# Altium PCB PM12_CFD.PcbDoc (part 7 of 12)
Units mm, origin at the board's own origin, x right, y up, seen from the top; angles counter-clockwise.
Board outline 96.25 x 362.25 mm, 6 copper layers (Top Layer, Mid-Layer 1, Mid-Layer 2, Mid-Layer 3, Mid-Layer 4, Bottom Layer); 1413 components, 2881 nets, 4503 pads, 1682 vias.
Unrouted connection lines stored in the file: 4.
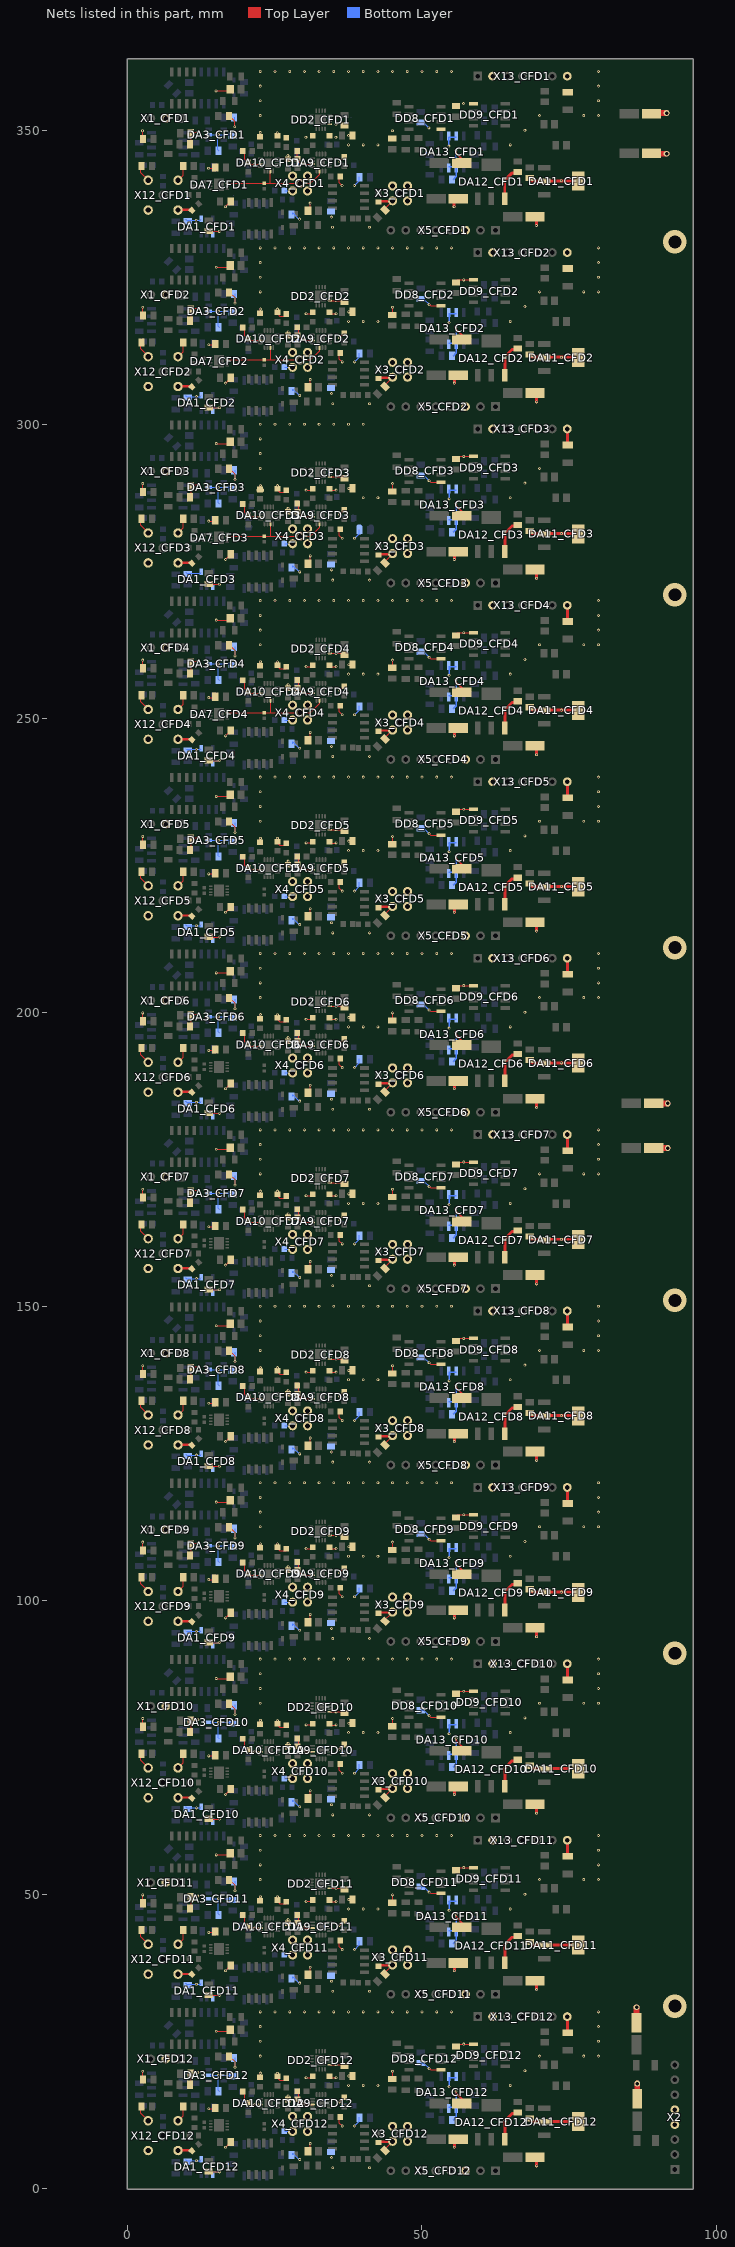
[diagram p11: the nets of this part, all layers, seen from the top]

## Via types
v1: diameter 0.48, hole 0.25, Top Layer to Bottom Layer, 1581 vias
v2: diameter 1, hole 0.6, Top Layer to Bottom Layer, 46 vias
v3: diameter 0.2/0/0/0/0/0.48 (per signal layer), hole 0.25, Top Layer to Bottom Layer, 33 vias
v4: diameter 4, hole 2.2, Top Layer to Bottom Layer, 12 vias
v5: diameter 0.5/0/0/0/0/1 (per signal layer), hole 0.6, Top Layer to Bottom Layer, 10 vias

## Nets (pads, with @x,y where several pads share a name; then routed paths per layer and width w, separated by ;. In a path a pad name is that pad's centre, name@x,y a point inside that pad or via, vN(x,y) a via of type N, cw(c..) or ccw(c..) an arc to the next point about the centre after c; other vN are vias at no path point) (continued)
GND: C1_CFD1.1 C1_CFD2.1 C1_CFD3.1 C1_CFD4.1 C1_CFD5.1 C1_CFD6.1 C1_CFD7.1 C1_CFD8.1 C1_CFD9.1 C1_CFD10.1 C1_CFD11.1 C1_CFD12.1 C2_CFD1.1 C2_CFD2.1 C2_CFD3.1 C2_CFD4.1 C2_CFD5.1 C2_CFD6.1 C2_CFD7.1 C2_CFD8.1 C2_CFD9.1 C2_CFD10.1 C2_CFD11.1 C2_CFD12.1 C3_CFD1.1 C3_CFD2.1 C3_CFD3.1 C3_CFD4.1 C3_CFD5.1 C3_CFD6.1 C3_CFD7.1 C3_CFD8.1 C3_CFD9.1 C3_CFD10.1 C3_CFD11.1 C3_CFD12.1 C4_CFD1.1 C4_CFD2.1 C4_CFD3.1 C4_CFD4.1 C4_CFD5.1 C4_CFD6.1 C4_CFD7.1 C4_CFD8.1 C4_CFD9.1 C4_CFD10.1 C4_CFD11.1 C4_CFD12.1 C6_CFD1.1 C6_CFD2.1 C6_CFD3.1 C6_CFD4.1 C6_CFD5.1 C6_CFD6.1 C6_CFD7.1 C6_CFD8.1 C6_CFD9.1 C6_CFD10.1 C6_CFD11.1 C6_CFD12.1 C7_CFD1.1 C7_CFD2.1 C7_CFD3.1 C7_CFD4.1 C7_CFD5.1 C7_CFD6.1 C7_CFD7.1 C7_CFD8.1 C7_CFD9.1 C7_CFD10.1 C7_CFD11.1 C7_CFD12.1 C8_CFD1.1 C8_CFD2.1 C8_CFD3.1 C8_CFD4.1 C8_CFD5.1 C8_CFD6.1 C8_CFD7.1 C8_CFD8.1 C8_CFD9.1 C8_CFD10.1 C8_CFD11.1 C8_CFD12.1 C9_CFD1.1 C9_CFD2.1 C9_CFD3.1 C9_CFD4.1 C9_CFD5.1 C9_CFD6.1 C9_CFD7.1 C9_CFD8.1 C9_CFD9.1 C9_CFD10.1 C9_CFD11.1 C9_CFD12.1 C10_CFD1.1 C10_CFD2.1 C10_CFD3.1 C10_CFD4.1 C10_CFD5.1 C10_CFD6.1 C10_CFD7.1 C10_CFD8.1 C10_CFD9.1 C10_CFD10.1 C10_CFD11.1 C10_CFD12.1 C11_CFD1.1 C11_CFD2.1 C11_CFD3.1 C11_CFD4.1 C11_CFD5.1 C11_CFD6.1 C11_CFD7.1 C11_CFD8.1 C11_CFD9.1 C11_CFD10.1 C11_CFD11.1 C11_CFD12.1 C12_CFD1.1 C12_CFD2.1 C12_CFD3.1 C12_CFD4.1 C12_CFD5.1 C12_CFD6.1 C12_CFD7.1 C12_CFD8.1 C12_CFD9.1 C12_CFD10.1 C12_CFD11.1 C12_CFD12.1 C13_CFD1.1 C13_CFD2.1 C13_CFD3.1 C13_CFD4.1 C13_CFD5.1 C13_CFD6.1 C13_CFD7.1 C13_CFD8.1 C13_CFD9.1 C13_CFD10.1 C13_CFD11.1 C13_CFD12.1 C14_CFD1.1 C14_CFD2.1 C14_CFD3.1 C14_CFD4.1 C14_CFD5.1 C14_CFD6.1 C14_CFD7.1 C14_CFD8.1 C14_CFD9.1 C14_CFD10.1 C14_CFD11.1 C14_CFD12.1 C18_CFD1.1 C18_CFD2.1 C18_CFD3.1 C18_CFD4.1 C18_CFD5.1 C18_CFD6.1 C18_CFD7.1 C18_CFD8.1 C18_CFD9.1 C18_CFD10.1 C18_CFD11.1 C18_CFD12.1 C19_CFD1.1 C19_CFD2.1 C19_CFD3.1 C19_CFD4.1 C19_CFD5.1 C19_CFD6.1 C19_CFD7.1 C19_CFD8.1 C19_CFD9.1 C19_CFD10.1 C19_CFD11.1 C19_CFD12.1 C20.2 C21.1 C23_CFD1.1 C23_CFD2.1 C23_CFD3.1 C23_CFD4.1 C23_CFD5.1 C23_CFD6.1 C23_CFD7.1 C23_CFD8.1 C23_CFD9.1 C23_CFD10.1 C23_CFD11.1 C23_CFD12.1 C24_CFD1.1 C24_CFD2.1 C24_CFD3.1 C24_CFD4.1 C24_CFD5.1 C24_CFD6.1 C24_CFD7.1 C24_CFD8.1 C24_CFD9.1 C24_CFD10.1 C24_CFD11.1 C24_CFD12.1 C25_CFD1.1 C25_CFD2.1 C25_CFD3.1 C25_CFD4.1 C25_CFD5.1 C25_CFD6.1 C25_CFD7.1 C25_CFD8.1 C25_CFD9.1 C25_CFD10.1 C25_CFD11.1 C25_CFD12.1 C26_CFD1.1 C26_CFD2.1 C26_CFD3.1 C26_CFD4.1 C26_CFD5.1 C26_CFD6.1 C26_CFD7.1 C26_CFD8.1 C26_CFD9.1 C26_CFD10.1 C26_CFD11.1 C26_CFD12.1 C27_CFD1.1 C27_CFD2.1 C27_CFD3.1 C27_CFD4.1 C27_CFD5.1 C27_CFD6.1 C27_CFD7.1 C27_CFD8.1 C27_CFD9.1 C27_CFD10.1 C27_CFD11.1 C27_CFD12.1 C28_CFD1.1 C28_CFD2.1 C28_CFD3.1 C28_CFD4.1 C28_CFD5.1 C28_CFD6.1 C28_CFD7.1 C28_CFD8.1 C28_CFD9.1 C28_CFD10.1 C28_CFD11.1 C28_CFD12.1 C29_CFD1.1 C29_CFD2.1 C29_CFD3.1 C29_CFD4.1 C29_CFD5.1 C29_CFD6.1 C29_CFD7.1 C29_CFD8.1 C29_CFD9.1 C29_CFD10.1 C29_CFD11.1 C29_CFD12.1 C30_CFD1.1 C30_CFD2.1 C30_CFD3.1 C30_CFD4.1 C30_CFD5.1 C30_CFD6.1 C30_CFD7.1 C30_CFD8.1 C30_CFD9.1 C30_CFD10.1 C30_CFD11.1 C30_CFD12.1 C31_CFD1.1 C31_CFD2.1 C31_CFD3.1 C31_CFD4.1 C31_CFD5.1 C31_CFD6.1 C31_CFD7.1 C31_CFD8.1 C31_CFD9.1 C31_CFD10.1 C31_CFD11.1 C31_CFD12.1 C32_CFD1.1 C32_CFD2.1 C32_CFD3.1 C32_CFD4.1 C32_CFD5.1 C32_CFD6.1 C32_CFD7.1 C32_CFD8.1 C32_CFD9.1 C32_CFD10.1 C32_CFD11.1 C32_CFD12.1 C33_CFD1.1 C33_CFD2.1 C33_CFD3.1 C33_CFD4.1 C33_CFD5.1 C33_CFD6.1 C33_CFD7.1 C33_CFD8.1 C33_CFD9.1 C33_CFD10.1 C33_CFD11.1 C33_CFD12.1 C34.2 C35_CFD1.1 C35_CFD2.1 C35_CFD3.1 C35_CFD4.1 C35_CFD5.1 C35_CFD6.1 C35_CFD7.1 C35_CFD8.1 C35_CFD9.1 C35_CFD10.1 C35_CFD11.1 C35_CFD12.1 C36_CFD1.1 C36_CFD2.1 C36_CFD3.1 C36_CFD4.1 C36_CFD5.1 C36_CFD6.1 C36_CFD7.1 C36_CFD8.1 C36_CFD9.1 C36_CFD10.1 C36_CFD11.1 C36_CFD12.1 C37_CFD1.1 C37_CFD2.1 C37_CFD3.1 C37_CFD4.1 C37_CFD5.1 C37_CFD6.1 C37_CFD7.1 C37_CFD8.1 C37_CFD9.1 C37_CFD10.1 C37_CFD11.1 C37_CFD12.1 C38_CFD1.1 C38_CFD2.1 C38_CFD3.1 C38_CFD4.1 C38_CFD5.1 C38_CFD6.1 C38_CFD7.1 C38_CFD8.1 C38_CFD9.1 C38_CFD10.1 C38_CFD11.1 C38_CFD12.1 C39_CFD1.1 C39_CFD2.1 C39_CFD3.1 C39_CFD4.1 C39_CFD5.1 C39_CFD6.1 C39_CFD7.1 C39_CFD8.1 C39_CFD9.1 C39_CFD10.1 C39_CFD11.1 C39_CFD12.1 C40_CFD1.1 C40_CFD2.1 C40_CFD3.1 C40_CFD4.1 C40_CFD5.1 C40_CFD6.1 C40_CFD7.1 C40_CFD8.1 C40_CFD9.1 C40_CFD10.1 C40_CFD11.1 C40_CFD12.1 C41_CFD1.1 C41_CFD2.1 C41_CFD3.1 C41_CFD4.1 C41_CFD5.1 C41_CFD6.1 C41_CFD7.1 C41_CFD8.1 C41_CFD9.1 C41_CFD10.1 C41_CFD11.1 C41_CFD12.1 C42_CFD1.2 C42_CFD2.2 C42_CFD3.2 C42_CFD4.2 C42_CFD5.2 C42_CFD6.2 C42_CFD7.2 C42_CFD8.2 C42_CFD9.2 C42_CFD10.2 C42_CFD11.2 C42_CFD12.2 C43_CFD1.1 C43_CFD2.1 C43_CFD3.1 C43_CFD4.1 C43_CFD5.1 C43_CFD6.1 C43_CFD7.1 C43_CFD8.1 C43_CFD9.1 C43_CFD10.1 C43_CFD11.1 C43_CFD12.1 C44.2 C45.1 C46.1 C47_CFD1.1 C47_CFD2.1 C47_CFD3.1 C47_CFD4.1 C47_CFD5.1 C47_CFD6.1 C47_CFD7.1 C47_CFD8.1 C47_CFD9.1 C47_CFD10.1 C47_CFD11.1 C47_CFD12.1 C71_CFD1.1 C71_CFD2.1 C71_CFD3.1 C71_CFD4.1 C71_CFD5.1 C71_CFD6.1 C71_CFD7.1 C71_CFD8.1 C71_CFD9.1 C71_CFD10.1 C71_CFD11.1 C71_CFD12.1 C72_CFD1.1 C72_CFD2.1 C72_CFD3.1 C72_CFD4.1 C72_CFD5.1 C72_CFD6.1 C72_CFD7.1 C72_CFD8.1 C72_CFD9.1 C72_CFD10.1 C72_CFD11.1 C72_CFD12.1 C73_CFD1.1 C73_CFD2.1 C73_CFD3.1 C73_CFD4.1 C73_CFD5.1 C73_CFD6.1 C73_CFD7.1 C73_CFD8.1 C73_CFD9.1 C73_CFD10.1 C73_CFD11.1 C73_CFD12.1 C129_CFD1.1 C129_CFD2.1 C129_CFD3.1 C129_CFD4.1 C129_CFD5.1 C129_CFD6.1 C129_CFD7.1 C129_CFD8.1 C129_CFD9.1 C129_CFD10.1 C129_CFD11.1 C129_CFD12.1 C135_CFD1.2 C135_CFD2.2 C135_CFD3.2 C135_CFD4.2 C135_CFD5.2 C135_CFD6.2 C135_CFD7.2 C135_CFD8.2 C135_CFD9.2 C135_CFD10.2 C135_CFD11.2 C135_CFD12.2 C145_CFD1.1 C145_CFD2.1 C145_CFD3.1 C145_CFD4.1 C145_CFD5.1 C145_CFD6.1 C145_CFD7.1 C145_CFD8.1 C145_CFD9.1 C145_CFD10.1 C145_CFD11.1 C145_CFD12.1 C146_CFD1.1 C146_CFD2.1 C146_CFD3.1 C146_CFD4.1 C146_CFD5.1 C146_CFD6.1 C146_CFD7.1 C146_CFD8.1 C146_CFD9.1 C146_CFD10.1 C146_CFD11.1 C146_CFD12.1 DA1_CFD1.1 DA1_CFD1.4 DA1_CFD2.1 DA1_CFD2.4 DA1_CFD3.1 DA1_CFD3.4 DA1_CFD4.1 DA1_CFD4.4 DA1_CFD5.1 DA1_CFD5.4 DA1_CFD6.1 DA1_CFD6.4 DA1_CFD7.1 DA1_CFD7.4 DA1_CFD8.1 DA1_CFD8.4 DA1_CFD9.1 DA1_CFD9.4 DA1_CFD10.1 DA1_CFD10.4 DA1_CFD11.1 DA1_CFD11.4 DA1_CFD12.1 DA1_CFD12.4 DA3_CFD1.2 DA3_CFD2.2 DA3_CFD3.2 DA3_CFD4.2 DA3_CFD5.2 DA3_CFD6.2 DA3_CFD7.2 DA3_CFD8.2 DA3_CFD9.2 DA3_CFD10.2 DA3_CFD11.2 DA3_CFD12.2 DA9_CFD1.15 DA9_CFD2.15 DA9_CFD3.15 DA9_CFD4.15 DA9_CFD5.15 DA9_CFD6.15 DA9_CFD7.15 DA9_CFD8.15 DA9_CFD9.15 DA9_CFD10.15 DA9_CFD11.15 DA9_CFD12.15 DA10_CFD1.15 DA10_CFD2.15 DA10_CFD3.15 DA10_CFD4.15 DA10_CFD5.15 DA10_CFD6.15 DA10_CFD7.15 DA10_CFD8.15 DA10_CFD9.15 DA10_CFD10.15 DA10_CFD11.15 DA10_CFD12.15 DA11_CFD1.2 DA11_CFD1.4 DA11_CFD2.2 DA11_CFD2.4 DA11_CFD3.2 DA11_CFD3.4 DA11_CFD4.2 DA11_CFD4.4 DA11_CFD5.2 DA11_CFD5.4 DA11_CFD6.2 DA11_CFD6.4 DA11_CFD7.2 DA11_CFD7.4 DA11_CFD8.2 DA11_CFD8.4 DA11_CFD9.2 DA11_CFD9.4 DA11_CFD10.2 DA11_CFD10.4 DA11_CFD11.2 DA11_CFD11.4 DA11_CFD12.2 DA11_CFD12.4 DA12_CFD1.3 DA12_CFD2.3 DA12_CFD3.3 DA12_CFD4.3 DA12_CFD5.3 DA12_CFD6.3 DA12_CFD7.3 DA12_CFD8.3 DA12_CFD9.3 DA12_CFD10.3 DA12_CFD11.3 DA12_CFD12.3 DA13_CFD1.2 DA13_CFD1.3 DA13_CFD1.6 DA13_CFD1.7 DA13_CFD2.2 DA13_CFD2.3 DA13_CFD2.6 DA13_CFD2.7 DA13_CFD3.2 DA13_CFD3.3 DA13_CFD3.6 DA13_CFD3.7 DA13_CFD4.2 DA13_CFD4.3 DA13_CFD4.6 DA13_CFD4.7 DA13_CFD5.2 DA13_CFD5.3 DA13_CFD5.6 DA13_CFD5.7 DA13_CFD6.2 DA13_CFD6.3 DA13_CFD6.6 DA13_CFD6.7 DA13_CFD7.2 DA13_CFD7.3 DA13_CFD7.6 DA13_CFD7.7 DA13_CFD8.2 DA13_CFD8.3 DA13_CFD8.6 DA13_CFD8.7 DA13_CFD9.2 DA13_CFD9.3 DA13_CFD9.6 DA13_CFD9.7 DA13_CFD10.2 DA13_CFD10.3 DA13_CFD10.6 DA13_CFD10.7 DA13_CFD11.2 DA13_CFD11.3 DA13_CFD11.6 DA13_CFD11.7 DA13_CFD12.2 DA13_CFD12.3 DA13_CFD12.6 DA13_CFD12.7 DD2_CFD1.9 DD2_CFD2.9 DD2_CFD3.9 DD2_CFD4.9 DD2_CFD5.9 DD2_CFD6.9 DD2_CFD7.9 DD2_CFD8.9 DD2_CFD9.9 DD2_CFD10.9 DD2_CFD11.9 DD2_CFD12.9 DD8_CFD1.5 DD8_CFD2.5 DD8_CFD3.5 DD8_CFD4.5 DD8_CFD5.5 DD8_CFD6.5 DD8_CFD7.5 DD8_CFD8.5 DD8_CFD9.5 DD8_CFD10.5 DD8_CFD11.5 DD8_CFD12.5 DD9_CFD1.5 DD9_CFD2.5 DD9_CFD3.5 DD9_CFD4.5 DD9_CFD5.5 DD9_CFD6.5 DD9_CFD7.5 DD9_CFD8.5 DD9_CFD9.5 DD9_CFD10.5 DD9_CFD11.5 DD9_CFD12.5 pad.1@22.5,288.774 pad.1@39.33,282.1 pad.1@86.6,17.8 R4_CFD1.1 R4_CFD2.1 R4_CFD3.1 R4_CFD4.1 R4_CFD5.1 R4_CFD6.1 R4_CFD7.1 R4_CFD8.1 R4_CFD9.1 R4_CFD10.1 R4_CFD11.1 R4_CFD12.1 R11_CFD1.1 R11_CFD2.1 R11_CFD3.1 R11_CFD4.1 R11_CFD5.1 R11_CFD6.1 R11_CFD7.1 R11_CFD8.1 R11_CFD9.1 R11_CFD10.1 R11_CFD11.1 R11_CFD12.1 R46_CFD1.1 R46_CFD2.1 R46_CFD3.1 R46_CFD4.1 R46_CFD5.1 R46_CFD6.1 R46_CFD7.1 R46_CFD8.1 R46_CFD9.1 R46_CFD10.1 R46_CFD11.1 R46_CFD12.1 X1_CFD1.2 X1_CFD2.2 X1_CFD3.2 X1_CFD4.2 X1_CFD5.2 X1_CFD6.2 X1_CFD7.2 X1_CFD8.2 X1_CFD9.2 X1_CFD10.2 X1_CFD11.2 X1_CFD12.2 X2.4 X2.5 X3_CFD1.2 X3_CFD2.2 X3_CFD3.2 X3_CFD4.2 X3_CFD5.2 X3_CFD6.2 X3_CFD7.2 X3_CFD8.2 X3_CFD9.2 X3_CFD10.2 X3_CFD11.2 X3_CFD12.2 X4_CFD1.2 X4_CFD2.2 X4_CFD3.2 X4_CFD4.2 X4_CFD5.2 X4_CFD6.2 X4_CFD7.2 X4_CFD8.2 X4_CFD9.2 X4_CFD10.2 X4_CFD11.2 X4_CFD12.2 X5_CFD1.3 X5_CFD2.3 X5_CFD3.3 X5_CFD4.3 X5_CFD5.3 X5_CFD6.3 X5_CFD7.3 X5_CFD8.3 X5_CFD9.3 X5_CFD10.3 X5_CFD11.3 X5_CFD12.3 X12_CFD1.2 X12_CFD2.2 X12_CFD3.2 X12_CFD4.2 X12_CFD5.2 X12_CFD6.2 X12_CFD7.2 X12_CFD8.2 X12_CFD9.2 X12_CFD10.2 X12_CFD11.2 X12_CFD12.2 X13_CFD1.2 X13_CFD1.7 X13_CFD2.2 X13_CFD2.7 X13_CFD3.2 X13_CFD3.7 X13_CFD4.2 X13_CFD4.7 X13_CFD5.2 X13_CFD5.7 X13_CFD6.2 X13_CFD6.7 X13_CFD7.2 X13_CFD7.7 X13_CFD8.2 X13_CFD8.7 X13_CFD9.2 X13_CFD9.7 X13_CFD10.2 X13_CFD10.7 X13_CFD11.2 X13_CFD11.7 X13_CFD12.2 X13_CFD12.7 | length 1282
  Top Layer w0.2: C2_CFD1.1@2.17,343.9 2.17,342.8 X12_CFD1.2@3.43,341.54 ; C71_CFD1.1@2.17,348.44 2.47,348.74 v1(2.47,349.9) ; C2_CFD12.1@2.2,13.9 2.2,12.8 X12_CFD12.2@3.46,11.54 ; C71_CFD12.1@2.2,18.44 2.5,18.74 v1(2.5,19.9) ; C2_CFD11.1@2.2,43.9 2.2,42.8 X12_CFD11.2@3.46,41.54 ; C71_CFD11.1@2.2,48.44 2.5,48.74 v1(2.5,49.9) ; C2_CFD10.1@2.2,73.9 2.2,72.8 X12_CFD10.2@3.46,71.54 ; C71_CFD10.1@2.2,78.44 2.5,78.74 v1(2.5,79.9) ; C2_CFD9.1@2.2,103.9 2.2,102.8 X12_CFD9.2@3.46,101.54 ; C71_CFD9.1@2.2,108.44 2.5,108.74 v1(2.5,109.9) ; C2_CFD8.1@2.2,133.9 2.2,132.8 X12_CFD8.2@3.46,131.54 ; C71_CFD8.1@2.2,138.44 2.5,138.74 v1(2.5,139.9) ; C2_CFD7.1@2.2,163.9 2.2,162.8 X12_CFD7.2@3.46,161.54 ; C71_CFD7.1@2.2,168.44 2.5,168.74 v1(2.5,169.9) ; C2_CFD6.1@2.2,193.9 2.2,192.8 X12_CFD6.2@3.46,191.54 ; C71_CFD6.1@2.2,198.44 2.5,198.74 v1(2.5,199.9) ; C2_CFD5.1@2.2,223.9 2.2,222.8 X12_CFD5.2@3.46,221.54 ; C71_CFD5.1@2.2,228.44 2.5,228.74 v1(2.5,229.9) ; C2_CFD4.1@2.2,253.9 2.2,252.8 X12_CFD4.2@3.46,251.54 ; C71_CFD4.1@2.2,258.44 2.5,258.74 v1(2.5,259.9) ; C2_CFD3.1@2.2,283.9 2.2,282.8 X12_CFD3.2@3.46,281.54 ; C71_CFD3.1@2.2,288.44 2.5,288.74 v1(2.5,289.9) ; C2_CFD2.1@2.2,313.9 2.2,312.8 X12_CFD2.2@3.46,311.54 ; C71_CFD2.1@2.2,318.44 2.5,318.74 v1(2.5,319.9) ; X12_CFD1.2@8.51,341.5 9.37,342.36 C14_CFD1.1@9.37,343.9 ; X12_CFD12.2@8.54,11.5 9.4,12.36 C14_CFD12.1@9.4,13.9 ; X12_CFD11.2@8.54,41.5 9.4,42.36 C14_CFD11.1@9.4,43.9 ; X12_CFD10.2@8.54,71.5 9.4,72.36 C14_CFD10.1@9.4,73.9 ; X12_CFD9.2@8.54,101.5 9.4,102.36 C14_CFD9.1@9.4,103.9 ; X12_CFD8.2@8.54,131.5 9.4,132.36 C14_CFD8.1@9.4,133.9 ; X12_CFD7.2@8.54,161.5 9.4,162.36 C14_CFD7.1@9.4,163.9 ; X12_CFD6.2@8.54,191.5 9.4,192.36 C14_CFD6.1@9.4,193.9 ; X12_CFD5.2@8.54,221.5 9.4,222.36 C14_CFD5.1@9.4,223.9 ; X12_CFD4.2@8.54,251.5 9.4,252.36 C14_CFD4.1@9.4,253.9 ; X12_CFD3.2@8.54,281.5 9.4,282.36 C14_CFD3.1@9.4,283.9 ; X12_CFD2.2@8.54,311.5 9.4,312.36 C14_CFD2.1@9.4,313.9 ; C37_CFD1.1@10.77,347.6 10.77,349.7 v1(11.86,349.7) ; C37_CFD12.1@10.8,17.6 10.8,19.7 v1(11.89,19.7) ; C37_CFD11.1@10.8,47.6 10.8,49.7 v1(11.89,49.7) ; C37_CFD10.1@10.8,77.6 10.8,79.7 v1(11.89,79.7) ; C37_CFD9.1@10.8,107.6 10.8,109.7 v1(11.89,109.7) ; C37_CFD8.1@10.8,137.6 10.8,139.7 v1(11.89,139.7) ; C37_CFD7.1@10.8,167.6 10.8,169.7 v1(11.89,169.7) ; C37_CFD6.1@10.8,197.6 10.8,199.7 v1(11.89,199.7) ; C37_CFD5.1@10.8,227.6 10.8,229.7 v1(11.89,229.7) ; C37_CFD4.1@10.8,257.6 10.8,259.7 v1(11.89,259.7) ; C37_CFD3.1@10.8,287.6 10.8,289.7 v1(11.89,289.7) ; C37_CFD2.1@10.8,317.6 10.8,319.7 v1(11.89,319.7) ; C9_CFD1.1@13.62,332.8 v1(15.52,332.8) ; C9_CFD12.1@13.65,2.8 v1(15.55,2.8) ; C9_CFD11.1@13.65,32.8 v1(15.55,32.8) ; C9_CFD10.1@13.65,62.8 v1(15.55,62.8) ; C9_CFD9.1@13.65,92.8 v1(15.55,92.8) ; C9_CFD8.1@13.65,122.8 v1(15.55,122.8) ; C9_CFD7.1@13.65,152.8 v1(15.55,152.8) ; C9_CFD6.1@13.65,182.8 v1(15.55,182.8) ; C9_CFD5.1@13.65,212.8 v1(15.55,212.8) ; C9_CFD4.1@13.65,242.8 v1(15.55,242.8) ; C9_CFD3.1@13.65,272.8 v1(15.55,272.8) ; C9_CFD2.1@13.65,302.8 v1(15.55,302.8) ; v1(13.7,343.525) 14.795,343.525 C3_CFD1.1@14.87,343.6 ; v1(13.73,13.525) 14.825,13.525 C3_CFD12.1@14.9,13.6 ; v1(13.73,43.525) 14.825,43.525 C3_CFD11.1@14.9,43.6 ; v1(13.73,73.525) 14.825,73.525 C3_CFD10.1@14.9,73.6 ; v1(13.73,103.525) 14.825,103.525 C3_CFD9.1@14.9,103.6 ; v1(13.73,133.525) 14.825,133.525 C3_CFD8.1@14.9,133.6 ; v1(13.73,163.525) 14.825,163.525 C3_CFD7.1@14.9,163.6 ; v1(13.73,193.525) 14.825,193.525 C3_CFD6.1@14.9,193.6 ; v1(13.73,223.525) 14.825,223.525 C3_CFD5.1@14.9,223.6 ; v1(13.73,253.525) 14.825,253.525 C3_CFD4.1@14.9,253.6 ; v1(13.73,283.525) 14.825,283.525 C3_CFD3.1@14.9,283.6 ; v1(13.73,313.525) 14.825,313.525 C3_CFD2.1@14.9,313.6 ; v1(14.97,356.7) 16.97,356.7 C4_CFD1.1@17.27,357 ; v1(15,26.7) 17,26.7 C4_CFD12.1@17.3,27 ; v1(15,56.7) 17,56.7 C4_CFD11.1@17.3,57 ; v1(15,86.7) 17,86.7 C4_CFD10.1@17.3,87 ; v1(15,116.7) 17,116.7 C4_CFD9.1@17.3,117 ; v1(15,146.7) 17,146.7 C4_CFD8.1@17.3,147 ; v1(15,176.7) 17,176.7 C4_CFD7.1@17.3,177 ; v1(15,206.7) 17,206.7 C4_CFD6.1@17.3,207 ; v1(15,236.7) 17,236.7 C4_CFD5.1@17.3,237 ; v1(15,266.7) 17,266.7 C4_CFD4.1@17.3,267 ; v1(15,296.7) 17,296.7 C4_CFD3.1@17.3,297 ; v1(15,326.7) 17,326.7 C4_CFD2.1@17.3,327 ; v1(16.57,337) C11_CFD1.1@17.47,337.9 ; v3(16.6,7) C11_CFD12.1@17.5,7.9 ; v3(16.6,37) C11_CFD11.1@17.5,37.9 ; v1(16.6,67) C11_CFD10.1@17.5,67.9 ; v1(16.6,97) C11_CFD9.1@17.5,97.9 ; v1(16.6,127) C11_CFD8.1@17.5,127.9 ; v3(16.6,157) C11_CFD7.1@17.5,157.9 ; v1(16.6,187) C11_CFD6.1@17.5,187.9 ; v3(16.6,217) C11_CFD5.1@17.5,217.9 ; v1(16.6,247) C11_CFD4.1@17.5,247.9 ; v1(16.6,277) C11_CFD3.1@17.5,277.9 ; v1(16.6,307) C11_CFD2.1@17.5,307.9 ; C43_CFD1.1@17.27,352.4 18.17,351.5 v1(18.17,350.6) ; C43_CFD12.1@17.3,22.4 18.2,21.5 v1(18.2,20.6) ; C43_CFD11.1@17.3,52.4 18.2,51.5 v1(18.2,50.6) ; C43_CFD10.1@17.3,82.4 18.2,81.5 v1(18.2,80.6) ; C43_CFD9.1@17.3,112.4 18.2,111.5 v1(18.2,110.6) ; C43_CFD8.1@17.3,142.4 18.2,141.5 v1(18.2,140.6) ; C43_CFD7.1@17.3,172.4 18.2,171.5 v1(18.2,170.6) ; C43_CFD6.1@17.3,202.4 18.2,201.5 v1(18.2,200.6) ; C43_CFD5.1@17.3,232.4 18.2,231.5 v1(18.2,230.6) ; C43_CFD4.1@17.3,262.4 18.2,261.5 v1(18.2,260.6) ; C43_CFD3.1@17.3,292.4 18.2,291.5 v1(18.2,290.6) ; C43_CFD2.1@17.3,322.4 18.2,321.5 v1(18.2,320.6) ; C39_CFD1.1@19.87,346.4 19.87,345.03 20.4,344.5 20.65,344.25 v1(21.5,344.25) DA10_CFD1.15@22.47,344.25 ; C39_CFD12.1@19.9,16.4 19.9,15.03 20.43,14.5 20.68,14.25 v1(21.53,14.25) DA10_CFD12.15@22.5,14.25 ; C39_CFD11.1@19.9,46.4 19.9,45.03 20.43,44.5 20.68,44.25 v1(21.53,44.25) DA10_CFD11.15@22.5,44.25 ; C39_CFD10.1@19.9,76.4 19.9,75.03 20.43,74.5 20.68,74.25 v1(21.53,74.25) DA10_CFD10.15@22.5,74.25 ; C39_CFD9.1@19.9,106.4 19.9,105.03 20.43,104.5 20.68,104.25 v1(21.53,104.25) DA10_CFD9.15@22.5,104.25 ; C39_CFD8.1@19.9,136.4 19.9,135.03 20.43,134.5 20.68,134.25 v1(21.53,134.25) DA10_CFD8.15@22.5,134.25 ; C39_CFD7.1@19.9,166.4 19.9,165.03 20.43,164.5 20.68,164.25 v1(21.53,164.25) DA10_CFD7.15@22.5,164.25 ; C39_CFD6.1@19.9,196.4 19.9,195.03 20.43,194.5 20.68,194.25 v1(21.53,194.25) DA10_CFD6.15@22.5,194.25 ; C39_CFD5.1@19.9,226.4 19.9,225.03 20.43,224.5 20.68,224.25 v1(21.53,224.25) DA10_CFD5.15@22.5,224.25 ; C39_CFD4.1@19.9,256.4 19.9,255.03 20.43,254.5 20.68,254.25 v1(21.53,254.25) DA10_CFD4.15@22.5,254.25 ; C39_CFD3.1@19.9,286.4 19.9,285.03 20.43,284.5 20.68,284.25 v1(21.53,284.25) DA10_CFD3.15@22.5,284.25 ; C39_CFD2.1@19.9,316.4 19.9,315.03 20.43,314.5 20.68,314.25 v1(21.53,314.25) DA10_CFD2.15@22.5,314.25 ; C23_CFD1.1@22.47,348.774 22.6,348.904 C23_CFD1.1@22.5,349.004 ; C23_CFD12.1@22.5,18.774 22.63,18.904 22.53,19.004 v1(22.53,19.6) ; C23_CFD11.1@22.5,48.774 22.63,48.904 22.53,49.004 v1(22.53,49.6) ; C23_CFD10.1@22.5,78.774 22.63,78.904 22.53,79.004 v1(22.53,79.6) ; C23_CFD9.1@22.5,108.774 22.63,108.904 22.53,109.004 v1(22.53,109.6) ; C23_CFD8.1@22.5,138.774 22.63,138.904 22.53,139.004 v1(22.53,139.6) ; C23_CFD7.1@22.5,168.774 22.63,168.904 22.53,169.004 v1(22.53,169.6) ; C23_CFD6.1@22.5,198.774 22.63,198.904 22.53,199.004 v1(22.53,199.6) ; C23_CFD5.1@22.5,228.774 22.63,228.904 22.53,229.004 v1(22.53,229.6) ; C23_CFD4.1@22.5,258.774 22.63,258.904 22.53,259.004 v1(22.53,259.6) ; pad.1@22.5,288.774 22.63,288.904 22.53,289.004 v1(22.53,289.6) ; C23_CFD2.1@22.5,318.774 22.63,318.904 22.53,319.004 v1(22.53,319.6) ; C32_CFD12.1@25.4,18.75 v1(25.4,19.58) ; C32_CFD11.1@25.4,48.75 v1(25.4,49.58) ; C32_CFD10.1@25.4,78.75 v1(25.4,79.58) ; C32_CFD9.1@25.4,108.75 v1(25.4,109.58) ; C32_CFD8.1@25.4,138.75 v1(25.4,139.58) ; C32_CFD7.1@25.4,168.75 v1(25.4,169.58) ; C32_CFD6.1@25.4,198.75 v1(25.4,199.58) ; C32_CFD5.1@25.4,228.75 v1(25.4,229.58) ; C32_CFD4.1@25.4,258.75 v1(25.4,259.58) ; C32_CFD3.1@25.4,288.75 v1(25.4,289.58) ; C32_CFD2.1@25.4,318.75 v1(25.4,319.58) ; C32_CFD12.1@25.5,18.75 25.85,18.4 C18_CFD12.1@26.93,18.4 ; C32_CFD11.1@25.5,48.75 25.85,48.4 C18_CFD11.1@26.93,48.4 ; C32_CFD10.1@25.5,78.75 25.85,78.4 C18_CFD10.1@26.93,78.4 ; C32_CFD9.1@25.5,108.75 25.85,108.4 C18_CFD9.1@26.93,108.4 ; C32_CFD8.1@25.5,138.75 25.85,138.4 C18_CFD8.1@26.93,138.4 ; C32_CFD7.1@25.5,168.75 25.85,168.4 C18_CFD7.1@26.93,168.4 ; C32_CFD6.1@25.5,198.75 25.85,198.4 C18_CFD6.1@26.93,198.4 ; C32_CFD5.1@25.5,228.75 25.85,228.4 C18_CFD5.1@26.93,228.4 ; C32_CFD4.1@25.5,258.75 25.85,258.4 C18_CFD4.1@26.93,258.4 ; C32_CFD3.1@25.5,288.75 25.85,288.4 C18_CFD3.1@26.93,288.4 ; C32_CFD2.1@25.5,318.75 25.85,318.4 C18_CFD2.1@26.93,318.4 ; C35_CFD1.1@27.2,344.85 v1(27.2,345.7) ; C35_CFD12.1@27.23,14.85 v1(27.23,15.7) ; C35_CFD11.1@27.23,44.85 v1(27.23,45.7) ; C35_CFD10.1@27.23,74.85 v1(27.23,75.7) ; C35_CFD9.1@27.23,104.85 v1(27.23,105.7) ; C35_CFD8.1@27.23,134.85 v1(27.23,135.7) ; C35_CFD7.1@27.23,164.85 v1(27.23,165.7) ; C35_CFD6.1@27.23,194.85 v1(27.23,195.7) ; C35_CFD5.1@27.23,224.85 v1(27.23,225.7) ; C35_CFD4.1@27.23,254.85 v1(27.23,255.7) ; C35_CFD3.1@27.23,284.85 v1(27.23,285.7) ; C35_CFD2.1@27.23,314.85 v1(27.23,315.7) ; C40_CFD1.1@28.755,346.5 28.77,346.485 28.77,345.05 29.42,344.4 v1(29.87,344.4) 30.02,344.25 DA9_CFD1.15@31.32,344.25 ; C40_CFD12.1@29.05,16.5 29.05,15.3 28.8,15.05 29.45,14.4 v1(29.9,14.4) 30.05,14.25 DA9_CFD12.15@31.35,14.25 ; C40_CFD11.1@29.05,46.5 29.05,45.3 28.8,45.05 29.45,44.4 v1(29.9,44.4) 30.05,44.25 DA9_CFD11.15@31.35,44.25 ; C40_CFD10.1@29.05,76.5 29.05,75.3 28.8,75.05 29.45,74.4 v1(29.9,74.4) 30.05,74.25 DA9_CFD10.15@31.35,74.25 ; C40_CFD9.1@29.05,106.5 29.05,105.3 28.8,105.05 29.45,104.4 v1(29.9,104.4) 30.05,104.25 DA9_CFD9.15@31.35,104.25 ; C40_CFD8.1@29.05,136.5 29.05,135.3 28.8,135.05 29.45,134.4 v1(29.9,134.4) 30.05,134.25 DA9_CFD8.15@31.35,134.25 ; C40_CFD7.1@29.05,166.5 29.05,165.3 28.8,165.05 29.45,164.4 v1(29.9,164.4) 30.05,164.25 DA9_CFD7.15@31.35,164.25 ; C40_CFD6.1@29.05,196.5 29.05,195.3 28.8,195.05 29.45,194.4 v1(29.9,194.4) 30.05,194.25 DA9_CFD6.15@31.35,194.25 ; C40_CFD5.1@29.05,226.5 29.05,225.3 28.8,225.05 29.45,224.4 v1(29.9,224.4) 30.05,224.25 DA9_CFD5.15@31.35,224.25 ; C40_CFD4.1@29.05,256.5 29.05,255.3 28.8,255.05 29.45,254.4 v1(29.9,254.4) 30.05,254.25 DA9_CFD4.15@31.35,254.25 ; C40_CFD3.1@29.05,286.5 29.05,285.3 28.8,285.05 29.45,284.4 v1(29.9,284.4) 30.05,284.25 DA9_CFD3.15@31.35,284.25 ; C40_CFD2.1@29.05,316.5 29.05,315.3 28.8,315.05 29.45,314.4 v1(29.9,314.4) 30.05,314.25 DA9_CFD2.15@31.35,314.25 ; v3(30.3,18.8) C27_CFD12.1@31.225,18.8 ; v1(30.3,48.8) C27_CFD11.1@31.225,48.8 ; v3(30.3,78.8) C27_CFD10.1@31.225,78.8 ; v1(30.3,108.8) C27_CFD9.1@31.225,108.8 ; v3(30.3,138.8) C27_CFD8.1@31.225,138.8 ; v3(30.3,168.8) C27_CFD7.1@31.225,168.8 ; v3(30.3,198.8) C27_CFD6.1@31.225,198.8 ; v1(30.3,228.8) C27_CFD5.1@31.225,228.8 ; v1(30.3,258.8) C27_CFD4.1@31.225,258.8 ; v1(30.3,288.8) C27_CFD3.1@31.225,288.8 ; v3(30.3,318.8) C27_CFD2.1@31.225,318.8 ; C13_CFD1.1@30.37,336.3 30.97,336.9 v1(30.97,337.6) ; C13_CFD12.1@30.4,6.3 31,6.9 v1(31,7.6) ; C13_CFD11.1@30.4,36.3 31,36.9 v1(31,37.6) ; C13_CFD10.1@30.4,66.3 31,66.9 v1(31,67.6) ; C13_CFD9.1@30.4,96.3 31,96.9 v1(31,97.6) ; C13_CFD8.1@30.4,126.3 31,126.9 v1(31,127.6) ; C13_CFD7.1@30.4,156.3 31,156.9 v1(31,157.6) ; C13_CFD6.1@30.4,186.3 31,186.9 v1(31,187.6) ; C13_CFD5.1@30.4,216.3 31,216.9 v1(31,217.6) ; C13_CFD4.1@30.4,246.3 31,246.9 v1(31,247.6) ; C13_CFD3.1@30.4,276.3 31,276.9 v1(31,277.6) ; C13_CFD2.1@30.4,306.3 31,306.9 v1(31,307.6) ; C25_CFD12.1@34.3,18.774 35.374,18.774 v1(35.4,18.8) ; DD2_CFD12.9@34.3,21.03 v1(35.4,21.03) 36.518,21.03 C19_CFD12.1@36.83,20.718 ; C25_CFD11.1@34.3,48.774 35.374,48.774 v1(35.4,48.8) ; DD2_CFD11.9@34.3,51.03 v1(35.4,51.03) 36.518,51.03 C19_CFD11.1@36.83,50.718 ; C25_CFD10.1@34.3,78.774 35.374,78.774 v1(35.4,78.8) ; DD2_CFD10.9@34.3,81.03 v1(35.4,81.03) 36.518,81.03 C19_CFD10.1@36.83,80.718 ; C25_CFD9.1@34.3,108.774 35.374,108.774 v1(35.4,108.8) ; DD2_CFD9.9@34.3,111.03 v1(35.4,111.03) 36.518,111.03 C19_CFD9.1@36.83,110.718 ; C25_CFD8.1@34.3,138.774 35.374,138.774 v1(35.4,138.8) ; DD2_CFD8.9@34.3,141.03 v1(35.4,141.03) 36.518,141.03 C19_CFD8.1@36.83,140.718 ; C25_CFD7.1@34.3,168.774 35.374,168.774 v1(35.4,168.8) ; DD2_CFD7.9@34.3,171.03 v1(35.4,171.03) 36.518,171.03 C19_CFD7.1@36.83,170.718 ; C25_CFD6.1@34.3,198.774 35.374,198.774 v1(35.4,198.8) ; DD2_CFD6.9@34.3,201.03 v1(35.4,201.03) 36.518,201.03 C19_CFD6.1@36.83,200.718 ; C25_CFD5.1@34.3,228.774 35.374,228.774 v1(35.4,228.8) ; DD2_CFD5.9@34.3,231.03 v1(35.4,231.03) 36.518,231.03 C19_CFD5.1@36.83,230.718 ; C25_CFD4.1@34.3,258.774 35.374,258.774 v1(35.4,258.8) ; DD2_CFD4.9@34.3,261.03 v1(35.4,261.03) 36.518,261.03 C19_CFD4.1@36.83,260.718 ; C25_CFD3.1@34.3,288.774 35.374,288.774 v1(35.4,288.8) ; DD2_CFD3.9@34.3,291.03 v1(35.4,291.03) 36.518,291.03 C19_CFD3.1@36.83,290.718 ; C25_CFD2.1@34.3,318.774 35.374,318.774 v1(35.4,318.8) ; DD2_CFD2.9@34.3,321.03 v1(35.4,321.03) 36.518,321.03 C19_CFD2.1@36.83,320.718 ; R46_CFD1.1@35.92,342.3 35.92,341.08 v1(36.4,340.6) ; R46_CFD12.1@35.95,12.3 35.95,11.08 v1(36.43,10.6) ; R46_CFD11.1@35.95,42.3 35.95,41.08 v1(36.43,40.6) ; R46_CFD10.1@35.95,72.3 35.95,71.08 v1(36.43,70.6) ; R46_CFD9.1@35.95,102.3 35.95,101.08 v1(36.43,100.6) ; R46_CFD8.1@35.95,132.3 35.95,131.08 v1(36.43,130.6) ; R46_CFD7.1@35.95,162.3 35.95,161.08 v1(36.43,160.6) ; R46_CFD6.1@35.95,192.3 35.95,191.08 v1(36.43,190.6) ; R46_CFD5.1@35.95,222.3 35.95,221.08 v1(36.43,220.6) ; R46_CFD4.1@35.95,252.3 35.95,251.08 v1(36.43,250.6) ; R46_CFD3.1@35.95,282.3 35.95,281.08 v1(36.43,280.6) ; R46_CFD2.1@35.95,312.3 35.95,311.08 v1(36.43,310.6) ; v1(35.95,344.7) 36.6,345.35 C33_CFD1.1@36.77,345.35 ; v1(35.98,14.7) 36.63,15.35 C33_CFD12.1@36.8,15.35 ; v1(35.98,44.7) 36.63,45.35 C33_CFD11.1@36.8,45.35 ; v1(35.98,74.7) 36.63,75.35 C33_CFD10.1@36.8,75.35 ; v1(35.98,104.7) 36.63,105.35 C33_CFD9.1@36.8,105.35 ; v1(35.98,134.7) 36.63,135.35 C33_CFD8.1@36.8,135.35 ; v1(35.98,164.7) 36.63,165.35 C33_CFD7.1@36.8,165.35 ; v1(35.98,194.7) 36.63,195.35 C33_CFD6.1@36.8,195.35 ; v1(35.98,224.7) 36.63,225.35 C33_CFD5.1@36.8,225.35 ; v1(35.98,254.7) 36.63,255.35 C33_CFD4.1@36.8,255.35 ; v1(35.98,284.7) 36.63,285.35 C33_CFD3.1@36.8,285.35 ; v1(35.98,314.7) 36.63,315.35 C33_CFD2.1@36.8,315.35 ; C19_CFD1.1@36.488,351.03 C19_CFD1.1@36.8,350.718 ; v1(37.53,19.1) 38.394,19.1 C72_CFD12.1@38.33,19.164 ; v1(37.53,49.1) 38.394,49.1 C72_CFD11.1@38.33,49.164 ; v1(37.53,79.1) 38.394,79.1 C72_CFD10.1@38.33,79.164 ; v1(37.53,109.1) 38.394,109.1 C72_CFD9.1@38.33,109.164 ; v1(37.53,139.1) 38.394,139.1 C72_CFD8.1@38.33,139.164 ; v1(37.53,169.1) 38.394,169.1 C72_CFD7.1@38.33,169.164 ; v1(37.53,199.1) 38.394,199.1 C72_CFD6.1@38.33,199.164 ; v1(37.53,229.1) 38.394,229.1 C72_CFD5.1@38.33,229.164 ; v1(37.53,259.1) 38.394,259.1 C72_CFD4.1@38.33,259.164 ; v1(37.53,289.1) 38.394,289.1 C72_CFD3.1@38.33,289.164 ; v1(37.53,319.1) 38.394,319.1 C72_CFD2.1@38.33,319.164 ; C72_CFD1.1@38.3,349.164 C72_CFD1.1@38.364,349.1 ; C73_CFD1.1@43.484,336.414 43.484,336.484 X3_CFD1.2@44.92,337.92 ; C73_CFD12.1@43.514,6.414 43.514,6.484 X3_CFD12.2@44.95,7.92 ; C73_CFD11.1@43.514,36.414 43.514,36.484 X3_CFD11.2@44.95,37.92 ; C73_CFD10.1@43.514,66.414 43.514,66.484 X3_CFD10.2@44.95,67.92 ; C73_CFD9.1@43.514,96.414 43.514,96.484 X3_CFD9.2@44.95,97.92 ; C73_CFD8.1@43.514,126.414 43.514,126.484 X3_CFD8.2@44.95,127.92 ; C73_CFD7.1@43.514,156.414 43.514,156.484 X3_CFD7.2@44.95,157.92 ; C73_CFD6.1@43.514,186.414 43.514,186.484 X3_CFD6.2@44.95,187.92 ; C73_CFD5.1@43.514,216.414 43.514,216.484 X3_CFD5.2@44.95,217.92 ; C73_CFD4.1@43.514,246.414 43.514,246.484 X3_CFD4.2@44.95,247.92 ; C73_CFD3.1@43.514,276.414 43.514,276.484 X3_CFD3.2@44.95,277.92 ; C73_CFD2.1@43.514,306.414 43.514,306.484 X3_CFD2.2@44.95,307.92 ; X3_CFD12.2@44.82,10.75 X3_CFD12.2@45.03,10.54 ; X3_CFD11.2@44.82,40.75 X3_CFD11.2@45.03,40.54 ; X3_CFD10.2@44.82,70.75 X3_CFD10.2@45.03,70.54 ; X3_CFD9.2@44.82,100.75 X3_CFD9.2@45.03,100.54 ; X3_CFD8.2@44.82,130.75 X3_CFD8.2@45.03,130.54 ; X3_CFD7.2@44.82,160.75 X3_CFD7.2@45.03,160.54 ; X3_CFD6.2@44.82,190.75 X3_CFD6.2@45.03,190.54 ; X3_CFD5.2@44.82,220.75 X3_CFD5.2@45.03,220.54 ; X3_CFD4.2@44.82,250.75 X3_CFD4.2@45.03,250.54 ; X3_CFD3.2@44.82,280.75 X3_CFD3.2@45.03,280.54 ; X3_CFD2.2@44.82,310.75 X3_CFD2.2@45.03,310.54 ; C8_CFD12.1@45,18.65 v1(45,19.9) ; C8_CFD11.1@45,48.65 v1(45,49.9) ; C8_CFD10.1@45,78.65 v1(45,79.9) ; C8_CFD9.1@45,108.65 v1(45,109.9) ; C8_CFD8.1@45,138.65 v1(45,139.9) ; C8_CFD7.1@45,168.65 v1(45,169.9) ; C8_CFD6.1@45,198.65 v1(45,199.9) ; C8_CFD5.1@45,228.65 v1(45,229.9) ; C8_CFD4.1@45,258.65 v1(45,259.9) ; C8_CFD3.1@45,288.65 v1(45,289.9) ; C8_CFD2.1@45,318.65 v1(45,319.9) ; v1(51.215,20.386) 51.455,20.146 DD8_CFD12.5@53.015,20.146 ; v1(51.215,50.386) 51.455,50.146 DD8_CFD11.5@53.015,50.146 ; v1(51.215,80.386) 51.455,80.146 DD8_CFD10.5@53.015,80.146 ; v1(51.215,110.386) 51.455,110.146 DD8_CFD9.5@53.015,110.146 ; v1(51.215,140.386) 51.455,140.146 DD8_CFD8.5@53.015,140.146 ; v1(51.215,170.386) 51.455,170.146 DD8_CFD7.5@53.015,170.146 ; v1(51.215,200.386) 51.455,200.146 DD8_CFD6.5@53.015,200.146 ; v1(51.215,230.386) 51.455,230.146 DD8_CFD5.5@53.015,230.146 ; v1(51.215,260.386) 51.455,260.146 DD8_CFD4.5@53.015,260.146 ; v1(51.215,290.386) 51.455,290.146 DD8_CFD3.5@53.015,290.146 ; v1(51.215,320.386) 51.455,320.146 DD8_CFD2.5@53.015,320.146 ; C24_CFD12.1@55.8,24.3 56.037,24.537 v1(57.114,24.537) DD9_CFD12.5@58.985,24.537 ; C24_CFD11.1@55.8,54.3 56.037,54.537 v1(57.114,54.537) DD9_CFD11.5@58.985,54.537 ; C24_CFD10.1@55.8,84.3 56.037,84.537 v1(57.114,84.537) DD9_CFD10.5@58.985,84.537 ; C24_CFD9.1@55.8,114.3 56.037,114.537 v1(57.114,114.537) DD9_CFD9.5@58.985,114.537 ; C24_CFD8.1@55.8,144.3 56.037,144.537 v1(57.114,144.537) DD9_CFD8.5@58.985,144.537 ; C24_CFD7.1@55.8,174.3 56.037,174.537 v1(57.114,174.537) DD9_CFD7.5@58.985,174.537 ; C24_CFD6.1@55.8,204.3 56.037,204.537 v1(57.114,204.537) DD9_CFD6.5@58.985,204.537 ; C24_CFD5.1@55.8,234.3 56.037,234.537 v1(57.114,234.537) DD9_CFD5.5@58.985,234.537 ; C24_CFD4.1@55.8,264.3 56.037,264.537 v1(57.114,264.537) DD9_CFD4.5@58.985,264.537 ; C24_CFD3.1@55.8,294.3 56.037,294.537 v1(57.114,294.537) DD9_CFD3.5@58.985,294.537 ; C24_CFD2.1@55.8,324.3 56.037,324.537 v1(57.115,324.537) DD9_CFD2.5@58.985,324.537